# Allegro board FMDEMOD-Long.brd (continued)
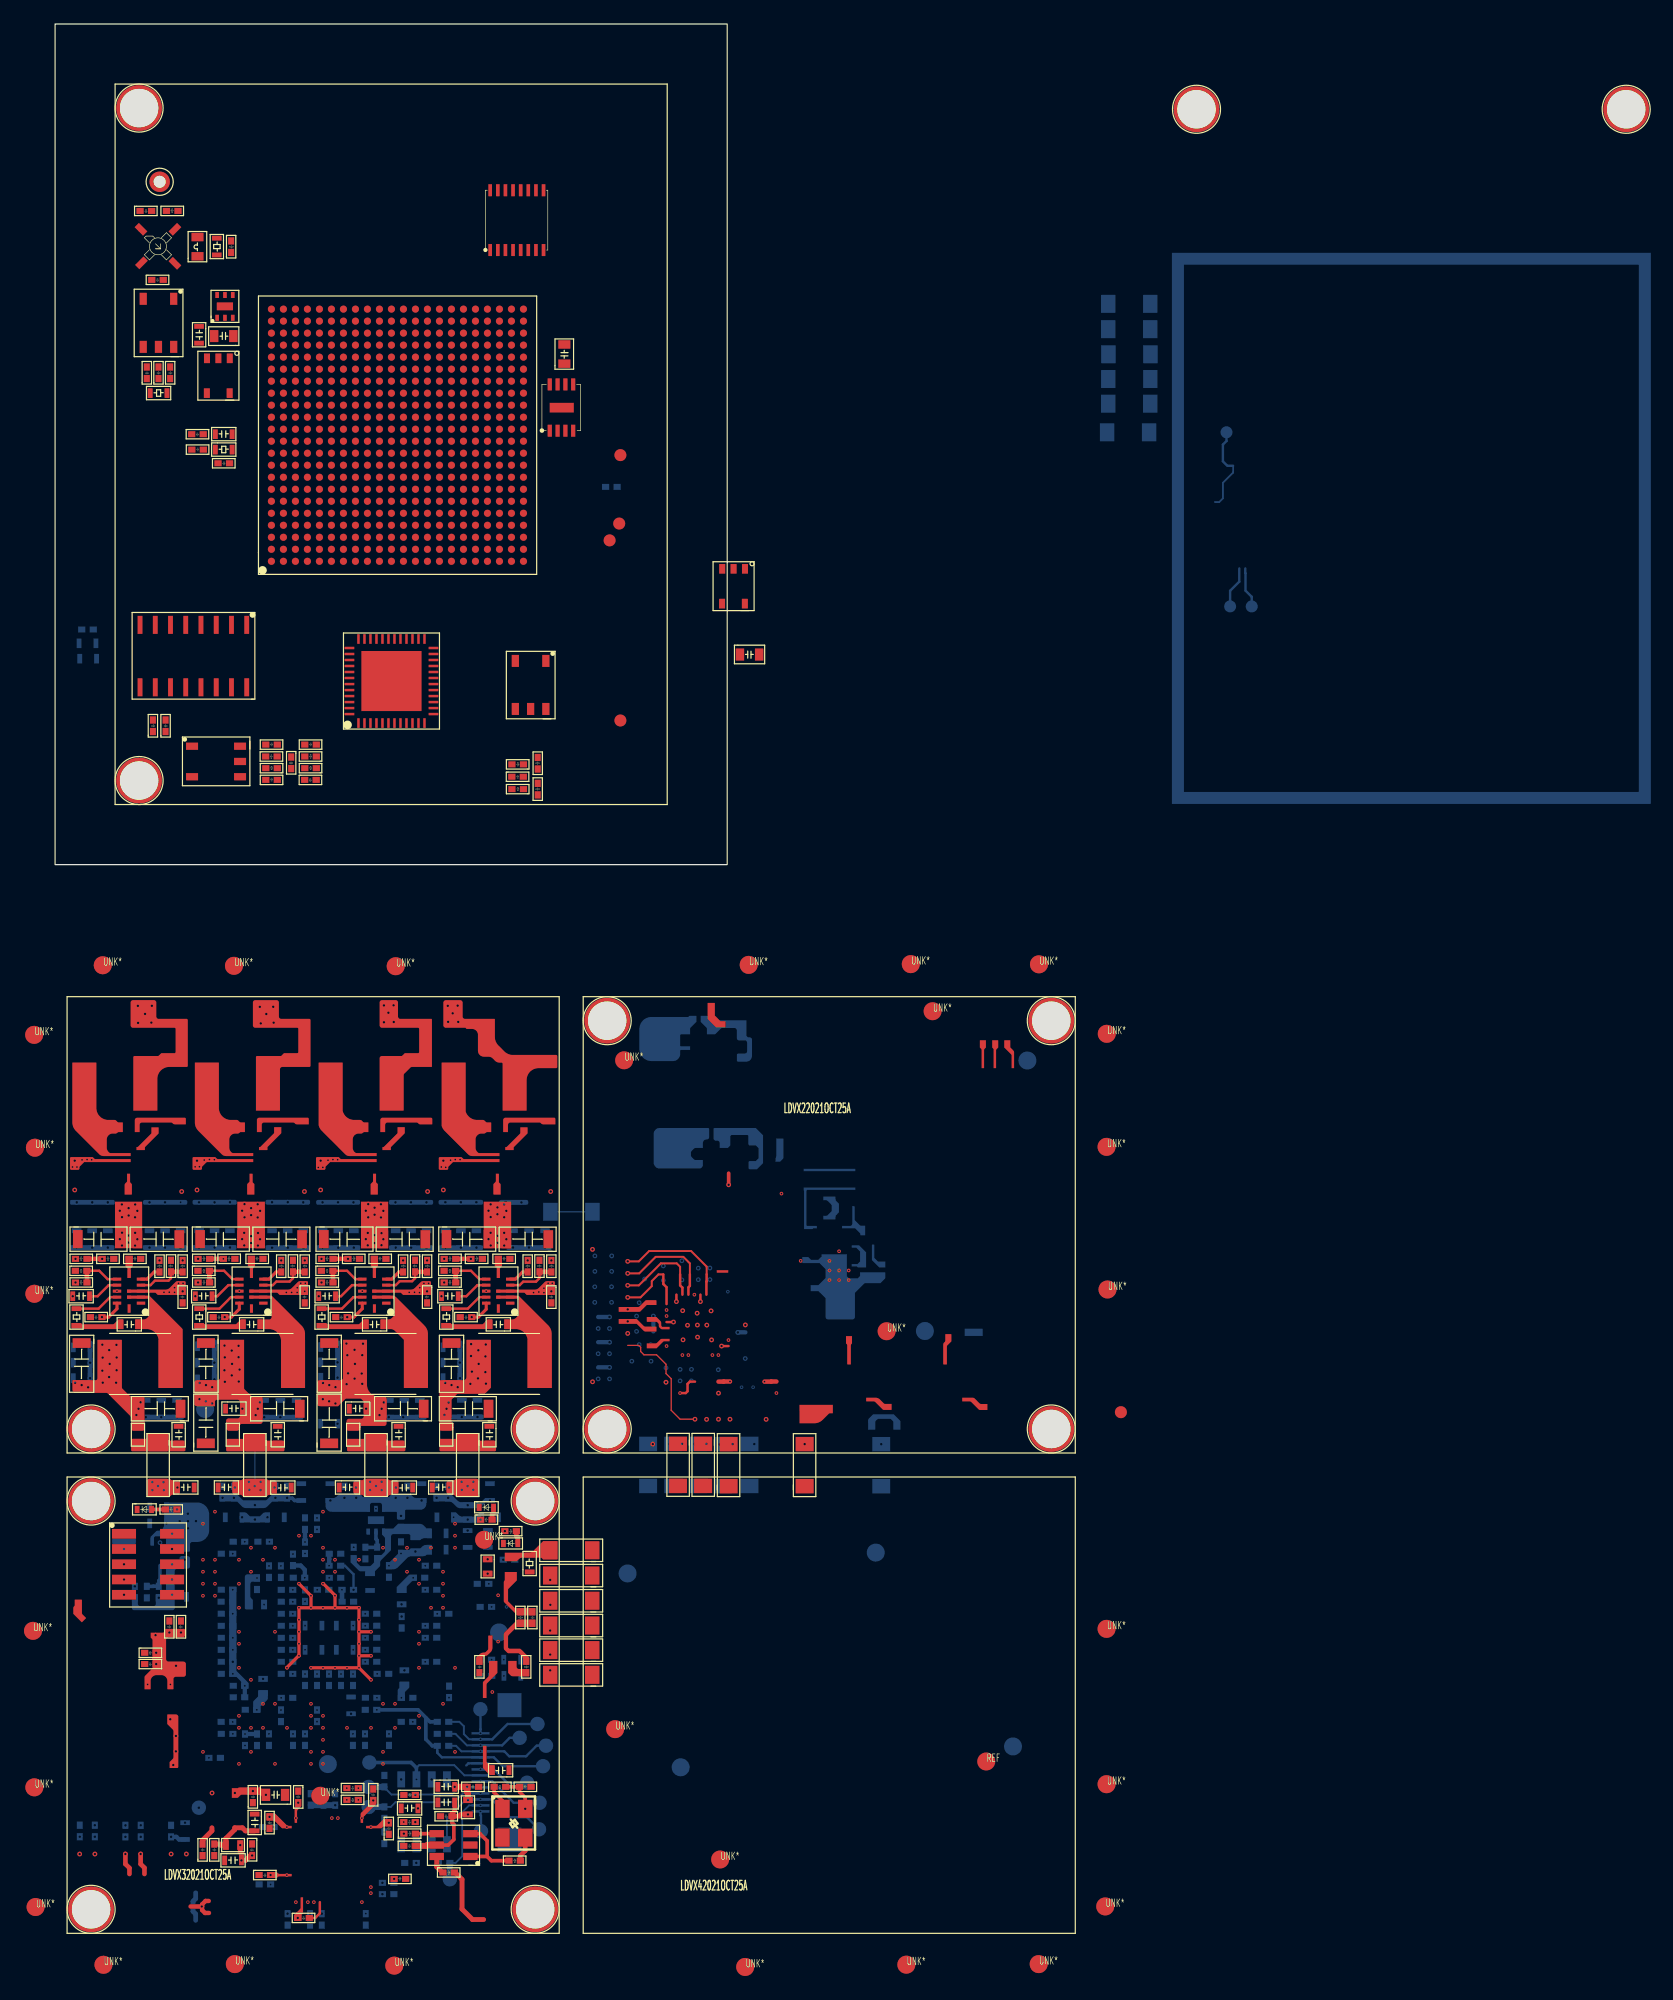
[diagram p0: board, top side]
## Copper pours and planes (outline as drawn; the poured copper is in the pictures) (continued)
5V_FPGA on PWR-L6 (solid shape): 36.46,-57.06 37.04,-57.64 37.64,-57.64 37.64,-58.14 36.48,-58.14 36.44,-58.1 35.64,-58.1 35.64,-57.45 35.66,-57.43 35.66,-56.65 36.46,-56.65
5V_FPGA on PWR-L6: 13.15,-78.6 17.93,-78.6 18.36,-78.16 18.36,-76.07 18.21,-75.92 12.27,-75.92 11.81,-75.47 11.81,-57.89 11.33,-57.42 9.2,-57.42 8.96,-57.18 6.14,-57.18 4.71,-55.75 1.37,-55.75 1.19,-55.93 1.19,-69.2 1.42,-69.43 10.24,-69.43 10.88,-70.08 10.88,-77.36 11.21,-77.69 12.24,-77.69
5V_FPGA_IN on BOTTOM (solid shape): 11.84,-53.12 12.55,-53.42 12.84,-54.12 12.84,-55.41 12.55,-56.12 11.84,-56.41 11.44,-56.41 11.3,-56.47 11.24,-56.61 11.24,-57.12 11.21,-57.19 11.14,-57.22 10.46,-57.22 10.39,-57.19 10.36,-57.12 10.36,-56.91 10.31,-56.77 10.16,-56.71 9.24,-56.71 9.24,-56.07 9.23,-56.03 9.2,-55.99 9.14,-55.95 9.06,-55.93 8.42,-55.93 8.34,-55.95 8.28,-55.99 8.25,-56.03 8.24,-56.07 8.24,-56.71 7.94,-56.71 7.94,-56.07 7.96,-56 8,-55.93 8.4,-55.53 8.46,-55.49 8.54,-55.47 8.58,-55.47 8.94,-55.33 9.08,-54.97 9.08,-53.12
5V_FPGA_IN on PWR-L6: 12.48,-51.22 12.48,-54.36 12.08,-54.36 11.84,-54.6 11.84,-56.69 11.68,-56.85 9.34,-56.85 9.18,-56.68 6.78,-56.68 5.4,-55.3 5.4,-51.25 5.5,-51.15 12.42,-51.15
5V_FPGA_PWR on TOP (solid shape): 5.55,-43.5 5.56,-43.57 5.61,-43.64 6.16,-44.2 6.23,-44.24 6.3,-44.25 7.25,-44.25 7.39,-44.31 7.45,-44.45 7.45,-47.03 7.42,-47.1 7.34,-47.13 6.45,-47.13 6.38,-47.1 6.35,-47.03 6.35,-46.08 6.34,-46.01 6.29,-45.94 4.4,-44.05 4.34,-44.01 4.26,-44 1.66,-44 1.52,-43.94 1.46,-43.8 1.46,-42.94 3.35,-42.94 3.49,-42.89 3.55,-42.75 3.55,-42.72 3.55,-39.58 5.55,-39.58
GND on BOTTOM (solid shape): 132.95,5.05 93.05,5.05 93.05,6.05 131.95,6.05 131.95,49.95 94.05,49.95 94.05,6.05 93.05,6.05 93.05,50.95 132.95,50.95
GND on GND-L2: 44.05,-51.14 44.05,-88.74 84.8,-88.74 84.8,-51.14
GND on GND-L2: 41.85,-51.15 41.85,-88.91 1.06,-88.91 1.06,-51.15
GND on GND-L2, GND-L5: 84.59,-48.68 84.59,-11.33 44.34,-11.33 44.34,-31.12 46.94,-31.12 48.63,-32.8 48.63,-33.26 49.63,-33.26 49.63,-32.79 50.35,-32.06 54.44,-32.06 54.87,-32.49 56.47,-32.49 56.88,-32.89 56.88,-37.73 57.95,-37.73 58.17,-37.95 58.17,-40.31 58.4,-40.54 58.4,-42.26 58.58,-42.43 59.46,-42.43 59.62,-42.59 59.62,-48.68
GND on GND-L2, GND-L5, GND-L9: 1.05,-11.54 1.2,-11.2 1.54,-11.05 41.46,-11.05 41.81,-11.2 41.95,-11.55 41.95,-48.45 41.8,-48.8 41.45,-48.95 1.55,-48.95 1.2,-48.81 1.05,-48.46
GND on GND-L5: 1.06,-51.05 41.85,-51.05 41.85,-88.91 1.06,-88.91
GND on GND-L5, GND-L9: 44.15,-88.74 84.8,-88.74 84.8,-51.14 44.15,-51.14
GND on GND-L9: 41.85,-51.15 41.85,-88.91 1.06,-88.91 1.06,-51.15
GND on GND-L9: 84.59,-48.68 84.59,-11.33 44.34,-11.33 44.34,-31.12 46.94,-31.12 48.63,-32.8 48.63,-33.26 49.63,-33.26 49.63,-32.79 49.63,-32.56 50.34,-31.85 54.36,-31.85 54.99,-32.49 56.47,-32.49 56.88,-32.89 56.88,-37.73 57.95,-37.73 58.17,-37.95 58.17,-40.31 58.4,-40.54 58.4,-42.26 58.58,-42.43 59.46,-42.43 59.62,-42.59 59.62,-48.68
GNDA on GND-L2: 46.9,-31.86 47.63,-32.59 47.63,-33.61 48.17,-34.15 49.41,-34.15 51.48,-32.08 53.86,-32.08 54.94,-33.16 54.94,-34.26 55.07,-34.39 56.14,-34.39 56.59,-34.84 56.59,-38 57.03,-38.45 57.03,-38.51 57.13,-38.6 57.86,-38.6 57.86,-41.42 58.34,-41.89 58.34,-43.36 59.47,-44.5 59.47,-48.68 44.36,-48.68 44.36,-31.86
GNDA on GND-L5: 46.9,-31.86 47.63,-32.59 47.63,-33.61 48.17,-34.15 50.18,-34.15 51.28,-33.06 51.28,-32.45 54.23,-32.45 54.94,-33.16 54.94,-34.26 55.07,-34.39 56.14,-34.39 56.59,-34.84 56.59,-38 57.03,-38.45 57.03,-38.51 57.13,-38.6 57.86,-38.6 57.86,-40.51 57.95,-40.51 58.24,-40.8 58.24,-42.4 58.52,-42.68 59.38,-42.68 59.47,-42.77 59.47,-48.68 44.36,-48.68 44.36,-31.86
GNDA on GND-L9: 46.9,-31.86 47.63,-32.59 47.63,-33.61 48.17,-34.15 49.52,-34.15 51.43,-32.25 54.03,-32.25 54.94,-33.16 54.94,-34.26 55.07,-34.39 56.14,-34.39 56.59,-34.84 56.59,-38 57.03,-38.45 57.03,-38.51 57.13,-38.6 57.86,-38.6 57.86,-40.51 57.95,-40.51 58.24,-40.8 58.24,-42.4 58.52,-42.68 59.38,-42.68 59.47,-42.77 59.47,-48.68 44.36,-48.68 44.36,-31.86
VBAT_IN on TOP (solid shape): 27.75,-31.95 25.49,-31.95 25.49,-28.08 27.75,-28.08
VBAT_IN on TOP (solid shape): 17.48,-31.94 15.18,-31.94 15.18,-28.08 17.48,-28.08
VBAT_IN on TOP (solid shape): 7.25,-31.94 4.99,-31.94 4.99,-28.08 7.25,-28.08
VBAT_IN on TOP (solid shape): 38,-31.95 35.71,-31.95 35.71,-28.08 38,-28.08
VCCA_2V5 on BOTTOM (solid shape): 31.38,-57.45 30.98,-57.45 30.82,-57.56 30.62,-57.6 29.68,-57.6 29.49,-57.64 29.32,-57.75 28.53,-58.54 28.37,-58.65 28.18,-58.69 27.57,-58.69 27.57,-58.09 27.89,-58.09 28,-57.97 28.57,-57.4 28.57,-57.07 29.42,-57.07 29.5,-57.05 29.56,-57.01 29.62,-56.95 30.42,-56.95 30.57,-56.8 30.73,-56.69 30.93,-56.66 31.38,-56.66
VCCA_2V5 on PWR-L6: 18.44,-68.5 17.94,-69 17.94,-70.83 17.63,-71.14 16.3,-71.14 15.99,-70.83 15.99,-70.13 16.86,-69.25 16.86,-67.5 16.31,-66.95 16.31,-60.69 17.73,-59.27 19.97,-59.27 20.57,-58.67 21.26,-58.67 21.55,-58.96 23.05,-58.96 23.82,-59.72 27.67,-59.72 29.73,-57.65 30.48,-57.65 30.63,-57.5 30.63,-56.83 29.82,-56.83 29.43,-57.22 29.27,-57.22 28.87,-56.82 28.57,-56.82 28.55,-56.84 24.7,-56.84 24.51,-57.04 24.51,-56.77 24.44,-56.7 23.45,-56.7 22.2,-57.95 19.66,-57.95 19.66,-57.95 19.34,-57.95 18.65,-57.27 16.34,-57.27 14.35,-59.26 14.35,-61.04 14.8,-61.5 15.57,-61.5 15.66,-61.59 15.66,-67.38 15.1,-67.95 15.1,-70.01 15.53,-70.44 15.53,-71.12 16.08,-71.67 17.64,-71.67 18.61,-70.71 23.13,-70.71 23.75,-71.33 26.66,-71.33 27.4,-70.59 27.4,-70.31 27.46,-70.31 27.72,-70.05 27.72,-68.8 27.43,-68.5 26.65,-68.5
VCCINT_1V2 on PWR-L6: 32.85,-53.86 35.79,-53.86 35.9,-53.97 35.9,-54.79 35.79,-54.9 35.27,-54.9 34.99,-55.18 34.99,-60.49 33.93,-61.54 30.57,-61.54 29.79,-62.33 29.79,-67.49 29.79,-67.5 29.79,-69.97 29.4,-70.36 28.15,-70.36 28.15,-69.13 27.86,-68.84 27.86,-68.66 27.51,-68.31 18.24,-68.31 18.24,-68.33 17.86,-68.72 16.99,-68.72 16.99,-60.71 18.37,-59.33 19.98,-59.33 20.5,-58.82 21.14,-58.82 21.45,-59.12 22.96,-59.12 23.18,-59.34 23.18,-59.69 23.62,-60.13 27.99,-60.13 28.77,-59.35 28.77,-58.72 28.94,-58.54 28.95,-58.54 29.13,-58.36 29.89,-58.36 30.5,-58.97 30.5,-59.32 29.83,-59.99 29.83,-60.38 30.29,-60.84 32.39,-60.84 33.77,-59.45 33.77,-54.73 33.65,-54.61 32.85,-54.61 32.82,-54.57 32.82,-53.89
VCCIO_3V3 on TOP (solid shape): 18.22,-79 18.3,-79.01 18.36,-79.06 19.36,-80.05 19.71,-80.05 19.71,-80.25 18.91,-80.25 18.31,-79.66 18.25,-79.61 18.17,-79.6 17.61,-79.6 17.61,-79
VCCIO_3V3 on TOP (solid shape): 20.51,-78.42 20.22,-78.71 20.18,-78.77 20.16,-78.85 20.16,-79.8 19.96,-79.8 19.96,-78.51 19.97,-78.47 19.99,-78.44 20.01,-78.42 20.01,-77.82 20.51,-77.82
VCCIO_3V3 on TOP (solid shape): 26.76,-78.16 26.74,-78.23 26.7,-78.3 25.72,-79.28 25.68,-79.34 25.66,-79.42 25.66,-79.8 25.46,-79.8 25.46,-79.09 25.48,-79.01 25.52,-78.94 26.2,-78.27 26.24,-78.2 26.26,-78.12 26.26,-77.64 26.76,-77.64
VCCIO_3V3 on TOP (solid shape): 28.05,-80.09 27.45,-80.09 27.37,-80.11 27.3,-80.15 27.26,-80.19 27.2,-80.24 27.12,-80.25 25.91,-80.25 25.91,-80.05 26.72,-80.05 26.8,-80.04 26.86,-79.99 27.3,-79.55 27.37,-79.51 27.45,-79.49 28.05,-79.49
VCCIO_3V3 on TOP (solid shape): 18.38,-83.89 18.46,-83.91 18.52,-83.95 18.56,-83.99 18.63,-84.04 18.7,-84.05 19.71,-84.05 19.71,-84.25 18.69,-84.25 18.61,-84.27 18.55,-84.31 18.52,-84.34 18.46,-84.38 18.38,-84.39 17.65,-84.39 17.65,-83.89
VCCIO_3V3 on BOTTOM (solid shape): 15.11,-67.14 16.1,-68.13 16.1,-68.63 15.5,-68.63 15.5,-68.12 15.49,-68.04 15.45,-67.98 15.16,-67.7 15.1,-67.65 15.02,-67.64 14.5,-67.64 14.5,-60.14 15.11,-60.14
VCCIO_3V3 on SIGNAL-L4: 23.84,-56.59 23.84,-62.26 31.58,-62.26 31.92,-61.93 31.92,-57.04 30.96,-56.08 24.35,-56.08
VCCIO_3V3 on PWR-L6: 30.73,-61.67 34.2,-61.67 34.35,-61.82 34.35,-74.7 34.67,-75.02 40.66,-75.02 40.67,-75.04 40.67,-84.78 40.34,-85.11 40.34,-88.21 39.66,-88.89 30.9,-88.89 30.7,-88.69 30.7,-84.43 29.66,-83.39 27.49,-83.39 27.17,-83.72 25.56,-83.72 25.39,-83.89 25.39,-85.45 17.81,-85.45 17.58,-85.23 17.58,-79.24 18.04,-78.78 18.76,-78.78 19.66,-77.88 19.66,-76.06 19.27,-75.68 12.5,-75.68 11.96,-75.13 11.96,-57.58 12.34,-57.2 12.34,-56.9 12.93,-56.32 12.93,-55.53 12.51,-55.12 12.04,-55.12 12.01,-55.08 12.01,-54.73 12.18,-54.56 12.72,-54.56 12.88,-54.39 12.88,-53.69 13.03,-53.53 13.49,-53.53 13.68,-53.72 17.75,-53.72 18.03,-53.45 21.89,-53.45 22.7,-54.25 33.3,-54.25 33.77,-54.72 33.77,-59.39 32.37,-60.78 30.39,-60.78 29.96,-60.35 29.96,-59.78 30.39,-59.35 30.55,-59.35 30.55,-58.92 29.75,-58.13 29.75,-57.81 30,-57.56 30.77,-57.56 30.96,-57.36 30.96,-56.72 30.81,-56.57 30.57,-56.57 30.14,-56.13 24.39,-56.13 24.39,-56.14 24.16,-56.37 23.69,-56.37 22.24,-57.82 19.5,-57.82 18.87,-57.2 16.33,-57.2 14.89,-58.64 14.76,-58.51 14.75,-58.51 14.11,-59.15 14.11,-59.16 14.56,-59.61 15.17,-59.61 15.71,-60.16 15.71,-60.53 14.75,-61.49 14.82,-61.56 15.55,-61.56 15.63,-61.63 15.63,-67.35 14.93,-68.04 14.93,-69.89 15.58,-70.54 15.58,-71.53 15.68,-71.63 17.89,-71.63 18.67,-70.85 23.02,-70.85 23.69,-71.52 26.75,-71.52 27.45,-70.82 27.92,-70.82 28.21,-70.54 29.71,-70.54 29.95,-70.31 29.95,-62.44
ADC_3V3 on PWR-L6: 17.37,-85.59 17.7,-85.92 22.96,-85.92 22.98,-85.91 25.6,-85.91 25.8,-85.7 25.8,-84.44 25.88,-84.37 26.94,-84.37 26.95,-84.38 27.7,-83.63 29.36,-83.63 30.2,-84.47 30.2,-88.46 9.73,-88.46 9.73,-85.03 10.64,-84.12 11.37,-84.12 11.88,-83.6 11.88,-79.84 12.46,-79.27 17,-79.27 17.37,-79.64
AUDIO_5V on PWR-L6: 34.75,-74.34 34.75,-61.66 35.12,-61.3 35.12,-58.79 35.46,-58.45 40.65,-58.45 40.65,-74.45 40.58,-74.53 34.94,-74.53
Net_1 on PWR-L6: 80.5,-62.63 84.83,-62.63 84.9,-62.57 84.9,-58.56 84.78,-58.44 70.11,-58.44 69.57,-58.99 69.57,-66.97 68.43,-68.11 68.01,-68.11 68.01,-69.62 68.03,-69.63 68.03,-70.72 68.01,-70.74 68.01,-71.85 67.58,-72.28 66.01,-72.28 65.78,-72.04 65,-72.04 64.46,-71.51 64.46,-69.91 64.18,-69.63 63.28,-69.63 63.2,-69.71 63.2,-71.01 62.95,-71.26 62.95,-71.78 62.79,-71.94 57.31,-71.94 57.28,-71.91 57.28,-69.63 57.2,-69.54 56.54,-69.54 56.42,-69.66 56.42,-73.01 56.69,-73.28 71.36,-73.28 71.69,-72.95 73.33,-72.95 73.4,-72.88 73.55,-72.73 73.55,-72.15 74.09,-71.61 78.25,-71.61 78.96,-70.89 78.96,-68.56 78.35,-67.94 72.14,-67.94 72.13,-67.95 71.44,-67.26 71.44,-62.86 71.96,-62.34 75.12,-62.34 75.44,-62.66 80.17,-62.66 80.2,-62.63 80.49,-62.63
Net_2 on PWR-L6: 44.05,-51.05 84.95,-51.05 84.95,-88.95 44.05,-88.95
Net_3 on BOTTOM (solid shape): 68.26,-32.75 68.56,-33.05 69.17,-33.05 69.17,-33.55 68.67,-33.55 68.06,-32.94 68.06,-31.65 68.26,-31.65
Net_4 on PWR-L6: 66.61,-23.3 65.54,-23.3 65.38,-23.46 65.38,-24.16 65.68,-24.46 67.09,-24.46 67.22,-24.33 67.22,-23.9
Net_5 on PWR-L6: 62.64,-34.37 62.65,-34.37 63.03,-34.75 63.69,-34.75 63.77,-34.66 63.77,-33.61 63.56,-33.39 63.56,-31.35 62.89,-30.67 61.99,-30.67 61.74,-30.92 61.74,-31.42 62.47,-32.15 62.47,-34.2
Net_6 on BOTTOM (solid shape): 66.61,-29.52 66.63,-29.59 66.67,-29.66 67.03,-30.02 67.1,-30.06 67.17,-30.08 67.49,-30.08 67.49,-30.88 67.09,-30.88 67.09,-30.8 67.08,-30.73 67.03,-30.66 66.72,-30.35 66.66,-30.31 66.58,-30.29 65.57,-30.29 65.57,-30.09 66.22,-30.09 66.36,-30.03 66.42,-29.89 66.42,-28.45 66.61,-28.45
Net_7 on PWR-L6: 66.14,-27.89 66.07,-27.89 65.88,-28.08 65.88,-29.55 65.85,-29.58 65.06,-29.58 64.93,-29.7 64.93,-30.67 65,-30.74 66.51,-30.74 66.68,-30.91 67.87,-30.91 67.97,-30.81 67.97,-28.21 67.63,-27.88 66.14,-27.88
Net_8 on BOTTOM (solid shape): 54.71,-12.91 54.77,-12.95 54.85,-12.97 57.6,-12.97 57.6,-14.19 57.66,-14.33 57.8,-14.39 57.87,-14.39 58.01,-14.45 58.07,-14.59 58.07,-15.92 57.92,-16.27 57.57,-16.42 56.91,-16.42 56.84,-16.39 56.81,-16.31 56.81,-15.84 56.84,-15.77 56.91,-15.74 57.46,-15.74 57.6,-15.68 57.66,-15.54 57.66,-14.84 57.6,-14.7 57.46,-14.64 57,-14.64 56.86,-14.58 56.8,-14.44 56.8,-13.81 56.74,-13.67 56.6,-13.61 55.6,-13.61 55.53,-13.62 55.46,-13.67 55.05,-14.08 54.99,-14.12 54.91,-14.14 54.31,-14.14 54.31,-13.7 54.29,-13.62 54.25,-13.56 53.79,-13.1 53.79,-12.6 54.39,-12.6
Net_10 on PWR-L6: 70.93,-11.58 70.93,-18.49 68.17,-21.24 68.14,-21.24 66.71,-22.68 64.91,-22.68 64.6,-22.98 63.87,-22.98 63.87,-24.4 63.74,-24.52 63.74,-24.57 64.02,-24.84 66.74,-24.84 66.86,-24.97 66.86,-25.79 66.64,-26 61.91,-26 61.86,-25.96 61.86,-24.56 58.52,-21.22 57.03,-21.22 56.64,-20.82 56.64,-17.66 55.19,-16.22 54.48,-16.22 54.17,-15.91 54.17,-13.89 53.78,-13.5 53.78,-11.58
Net_11 on TOP (solid shape): 68.37,-44.4 68.56,-44.44 68.72,-44.55 69.03,-44.86 69.1,-44.9 69.17,-44.92 69.69,-44.92 69.69,-45.42 69.08,-45.42 69,-45.4 68.94,-45.36 68.34,-44.76 68.27,-44.72 68.2,-44.7 67.58,-44.7 67.58,-44.4
Net_12 on TOP (solid shape): 64.8,-45.69 64.58,-45.69 64.51,-45.71 64.44,-45.75 63.96,-46.23 63.63,-46.45 63.25,-46.52 62.03,-46.52 62.03,-45.55 62.02,-45.53 62.02,-45.01 62.03,-45 62.04,-44.99 64.8,-44.99
Net_13 on BOTTOM (solid shape): 69.79,-45.77 69.87,-45.79 69.93,-45.83 70.38,-46.28 70.42,-46.34 70.44,-46.42 70.44,-47.06 69.83,-47.06 69.83,-46.45 69.82,-46.37 69.78,-46.31 69.68,-46.21 69.62,-46.17 69.54,-46.15 68.63,-46.15 68.56,-46.17 68.49,-46.21 68.4,-46.31 68.35,-46.37 68.34,-46.45 68.34,-47.06 67.74,-47.06 67.74,-46.56 67.74,-46.55 67.74,-46.27 67.75,-46.2 67.8,-46.13 68.09,-45.83 68.16,-45.79 68.23,-45.77
Net_14 on PWR-L6: 62.04,-48.45 70.66,-48.45 70.66,-47.2 69.46,-47.2 69.16,-46.89 68.83,-46.89 68.6,-46.67 68.61,-46.65 68.61,-45.85 69.03,-45.43 69.05,-45.45 69.77,-45.45 69.77,-44.93 69.68,-44.84 63.72,-44.84 62.51,-46.05 62.35,-46.05
Net_15 on TOP (solid shape): 76.47,-44.4 76.55,-44.42 76.61,-44.46 77.01,-44.86 77.08,-44.9 77.15,-44.92 77.67,-44.92 77.67,-45.42 77.08,-45.42 77,-45.4 76.94,-45.36 76.34,-44.76 76.27,-44.72 76.2,-44.7 75.58,-44.7 75.58,-44.4
Net_16 on PWR-L6: 71.59,-47.22 71.59,-48.45 80.89,-48.45 80.89,-46.9 76.62,-46.9 76.33,-46.61 76.33,-45.73 76.6,-45.45 76.61,-45.46 77.53,-45.46 77.77,-45.21 77.77,-44.64 77.24,-44.11 72.41,-44.11 72.41,-44.53 72.3,-44.64 72.3,-46.51
Net_17 on TOP (solid shape): 50.44,-38.01 50.48,-38.08 50.5,-38.15 50.5,-38.33 50.51,-38.41 50.56,-38.47 50.58,-38.49 51.2,-38.49 51.2,-38.69 50.58,-38.69 50.51,-38.68 50.44,-38.64 50.36,-38.55 50.31,-38.49 50.3,-38.41 50.3,-38.32 50.28,-38.24 50.24,-38.17 50.2,-38.13 50.13,-38.09 50.06,-38.07 49.3,-38.07 49.3,-37.67 50.1,-37.67
Net_18 on PWR-L6: 51,-39.6 51.31,-39.3 56.6,-39.3 56.64,-39.34 56.64,-41.79 55.96,-42.47 48.67,-42.47 47.58,-43.56 47.58,-44.31 47.36,-44.54 44.57,-44.54 44.57,-40 44.97,-39.6
Net_19 on TOP (solid shape): 51.2,-39.69 50.78,-39.69 50.7,-39.71 50.64,-39.75 50.12,-40.27 50.1,-40.28 49.3,-40.28 49.3,-39.88 50.02,-39.88 50.09,-39.86 50.16,-39.82 50.43,-39.55 50.49,-39.51 50.57,-39.49 51.2,-39.49
Net_20 on BOTTOM (solid shape): 60.68,-24.38 60.67,-24.46 60.62,-24.53 60.47,-24.68 60.4,-24.73 60.33,-24.74 60.02,-24.74 60.02,-24.44 60.02,-24.44 60.07,-24.37 60.08,-24.3 60.08,-22.81 60.68,-22.81
Net_21 on BOTTOM (solid shape): 65.02,-27.87 65.04,-27.94 65.08,-28.01 65.25,-28.17 65.29,-28.24 65.31,-28.31 65.31,-28.88 65.29,-28.96 65.25,-29.02 65.08,-29.19 65.04,-29.25 65.02,-29.33 65.02,-29.55 64,-29.55 64,-29.25 64.23,-29.25 64.3,-29.23 64.37,-29.19 64.65,-28.91 64.69,-28.84 64.71,-28.77 64.71,-28.43 64.69,-28.36 64.65,-28.29 64.36,-28.01 64.3,-27.96 64.22,-27.95 64,-27.95 64,-27.65 65.02,-27.65
Net_22 on BOTTOM (solid shape): 58.99,-22.54 58.99,-24.87 58.49,-25.37 57.88,-25.37 57.81,-25.34 57.78,-25.27 57.78,-24.79 57.81,-24.72 57.88,-24.69 58.39,-24.69 58.6,-24.47 58.6,-23.61 58.4,-23.4 57.86,-23.4 57.77,-23.31 57.77,-22.58 57.7,-22.52 56.35,-22.52 56.26,-22.62 56.26,-23.4 56.05,-23.6 55.37,-23.6 55.37,-23.19 55.31,-23.05 55.17,-22.99 55.06,-22.99 54.92,-22.93 54.86,-22.79 54.86,-22.03 54.89,-21.96 54.96,-21.93 58.38,-21.93
Net_23 on PWR-L6: 58.28,-21.72 58.52,-21.96 58.52,-23.58 59.15,-23.58 59.55,-23.97 59.55,-23.97 59.73,-24.16 59.73,-25.13 60.12,-25.52 60.12,-26.36 60.85,-27.09 60.87,-27.09 61.21,-27.43 61.21,-27.87 61.97,-28.62 62.09,-28.62 62.25,-28.78 63.17,-28.78 63.29,-28.66 63.29,-28.47 63.34,-28.42 63.34,-27.86 63.45,-27.74 65.55,-27.74 65.81,-28 65.81,-29.19 65.59,-29.42 61.28,-29.42 60.31,-28.45 58.05,-28.45 57.3,-27.69 57.3,-24.52 56.92,-24.14 54.66,-24.14 54.47,-23.94 54.47,-22.06 54.81,-21.72
Net_24 on TOP (solid shape): 66.4,-39.87 66.36,-39.91 66.32,-39.97 66.3,-40.05 66.3,-41.62 66,-41.62 66,-40.06 65.98,-39.98 65.94,-39.91 65.9,-39.87 65.9,-39.27 66.4,-39.27
Net_25 on TOP (solid shape): 74.67,-39.7 74.36,-40.02 74.32,-40.08 74.3,-40.16 74.3,-41.62 74,-41.62 74,-39.96 74.02,-39.88 74.06,-39.82 74.12,-39.76 74.16,-39.7 74.17,-39.62 74.17,-39.1 74.67,-39.1
Net_26 on PWR-L6: 59.74,-46.07 59.74,-48.45 61.9,-48.45 61.9,-45.93 62.98,-44.84 63.04,-44.84 63.19,-44.69 70.82,-44.69 71.08,-44.95 71.08,-45.47 70.84,-45.71 69.1,-45.71 68.84,-45.97 68.84,-46.33 69.06,-46.54 71.37,-46.54 71.93,-45.98 71.93,-45.7 71.91,-45.68 71.91,-44.12 72.15,-43.88 77.23,-43.88 77.92,-44.57 77.92,-45.28 77.51,-45.7 76.73,-45.7 76.65,-45.78 76.65,-46.58 76.74,-46.67 77.78,-46.67 78,-46.46 78,-46.03 78.53,-45.5 78.63,-45.5 78.69,-45.44 79.79,-45.44 79.79,-41.34 78.46,-40 75.55,-40 74.99,-39.44 74.99,-38.64 74.07,-37.72 71.02,-37.72 70.05,-38.69 63.57,-38.69 59.75,-42.5 59.75,-44.15 60.57,-44.97 60.57,-45.85 60.45,-45.96 59.84,-45.96
Net_27 on TOP (solid shape): 54.97,-12.58 55.44,-13.05 55.85,-13.05 55.85,-13.55 55.05,-13.55 54.37,-12.86 54.37,-11.52 54.37,-11.52 54.97,-11.52
Net_28 on BOTTOM (solid shape): 66.67,-27.08 62.67,-27.08 62.6,-27.15 62.6,-30.05 62.65,-30.09 63.47,-30.09 63.47,-30.29 63.17,-30.29 63.12,-30.35 62.4,-30.35 62.4,-27.17 62.37,-27.14 62.37,-26.89 66.67,-26.89
Net_29 on PWR-L6: 62.22,-26.49 66.8,-26.49 67.04,-26.73 67.04,-27.55 66.83,-27.76 65.84,-27.76 65.64,-27.56 63.37,-27.56 63.16,-27.77 63.16,-28.23 63.02,-28.37 62.4,-28.37 62.06,-28.03 62.06,-26.65
Net_30 on TOP (solid shape): 49.04,-38.42 49.11,-38.46 49.18,-38.48 50.1,-38.48 50.1,-38.88 49.18,-38.88 49.11,-38.86 49.04,-38.82 48.49,-38.27 48.46,-38.25 48.42,-38.24 46.96,-38.24 46.96,-37.84 48.46,-37.84
Net_31 on BOTTOM (solid shape): 67.57,-32.28 67.57,-33.55 66.88,-33.55 66.8,-33.47 66.37,-33.47 66.37,-33.27 66.85,-33.27 67.07,-33.05 67.07,-32.22 66.76,-31.91 66.37,-31.91 66.37,-31.71 67,-31.71
Net_32 on PWR-L6: 50.02,-35.16 50.02,-34.31 50.18,-34.16 54.92,-34.16 55.02,-34.25 55.02,-36.54 53.79,-37.76 51.66,-37.76 50.33,-39.09 44.57,-39.09 44.57,-36.07 49.11,-36.07
Net_33 on TOP (solid shape): 50.1,-36.67 49.34,-36.67 49.3,-36.68 49.27,-36.7 48.79,-37.18 48.73,-37.22 48.65,-37.24 46.96,-37.24 46.96,-36.84 48.57,-36.84 48.64,-36.82 48.71,-36.78 49.16,-36.33 49.22,-36.29 49.3,-36.27 50.1,-36.27
Net_34 on TOP (solid shape): 77.55,-15.23 77.46,-15.32 77.42,-15.39 77.4,-15.46 77.4,-16.95 77.2,-16.95 77.2,-15.46 77.18,-15.39 77.14,-15.32 77.05,-15.23 77.05,-14.63 77.55,-14.63
Net_35 on TOP (solid shape): 78.58,-15.23 78.46,-15.35 78.42,-15.42 78.4,-15.49 78.4,-16.95 78.2,-16.95 78.2,-15.43 78.18,-15.36 78.14,-15.29 78.08,-15.23 78.08,-14.63 78.58,-14.63
Net_36 on TOP (solid shape): 79.58,-15.23 79.84,-15.49 79.88,-15.55 79.9,-15.63 79.9,-16.95 79.7,-16.95 79.7,-15.93 79.68,-15.85 79.64,-15.79 79.08,-15.23 79.08,-14.63 79.58,-14.63
Net_37 on BOTTOM (solid shape): 65.97,-34.28 66.14,-34.45 66.87,-34.45 67.07,-34.25 67.07,-33.95 69.17,-33.95 69.17,-34.45 68.77,-34.86 67.45,-34.86 66.64,-35.67 66.64,-37.67 66.58,-37.82 66.44,-37.88 64.4,-37.88 64.25,-37.82 64.2,-37.67 64.2,-36.12 63.6,-35.52 62.95,-35.52 62.95,-35.02 63.6,-35.02 64.2,-34.42 64.2,-33.69 63.68,-33.18 62.26,-33.18 62.26,-32.68 62.76,-32.68 62.99,-32.92 63.58,-32.92 63.86,-32.64 63.86,-32.45 65.97,-32.45
Net_40 on PWR-L6: 59.34,-45.86 59.44,-45.76 60.43,-45.76 60.5,-45.7 60.5,-45.18 60.33,-45.01 59.62,-45.01 59.34,-44.74 59.34,-42.36 63.45,-38.25 68.41,-38.25 68.45,-38.29 70.2,-38.29 71.17,-37.33 74.28,-37.33 75.46,-38.51 75.46,-39.49 75.64,-39.67 78.81,-39.67 80.28,-41.15 80.28,-44.58 80.35,-44.65 84.42,-44.65 84.42,-15.61 84.05,-15.24 81.88,-15.24 80.79,-14.15 80.79,-12 80.36,-11.58 72.11,-11.58 71.63,-12.06 71.63,-19.03 67.84,-22.82 64.94,-22.82 64.22,-23.53 64.22,-24.49 64.43,-24.69 66.89,-24.69 67.04,-24.84 67.04,-26.52 68.68,-28.16 68.68,-31.63 68.01,-32.3 63.86,-32.3 63.71,-32.45 63.71,-33.21 63.95,-33.45 63.95,-34.74 63.87,-34.82 62.19,-34.82 60.76,-33.4 60.76,-32.5 58.94,-30.68 57.44,-30.68 57.07,-30.32 57.07,-25.17 56.53,-24.64 55,-24.64 54.55,-25.09 54.55,-29.98 53.5,-31.03 53.5,-32.49 55.08,-34.08 55.08,-38.04 55.99,-38.95 56.86,-38.95 56.86,-41.19 56.84,-41.21 56.84,-42.76 56.94,-42.86 52.12,-42.86 51.87,-42.61 49.24,-42.61 47.83,-44.03 47.83,-45.36 48.31,-45.84 48.31,-48.3 48.46,-48.45 59.34,-48.45
Net_41 on PWR-L6: 44.05,-11.05 52.38,-11.05 53.53,-12.2 53.53,-13.75 53.9,-14.13 53.9,-15.9 54.33,-16.32 55.11,-16.32 55.98,-17.18 55.98,-20.08 53.37,-22.69 53.37,-29.51 52.36,-30.51 52.36,-32.8 52.36,-32.8 52.36,-33.86 52.21,-34.02 50.12,-34.02 49.84,-34.3 49.84,-35.03 48.98,-35.88 45.25,-35.88 44.05,-34.68
Net_42 on TOP (solid shape): 3.44,-20.26 3.73,-20.97 4.44,-21.26 4.95,-21.26 5.03,-21.28 5.09,-21.32 5.18,-21.42 5.25,-21.46 5.32,-21.47 5.64,-21.47 5.64,-22.27 5.32,-22.27 5.25,-22.29 5.18,-22.33 5.18,-22.34 5.11,-22.38 5.04,-22.4 4.8,-22.4 4.45,-22.54 4.3,-22.9 4.3,-23.57 4.34,-23.77 4.45,-23.93 4.49,-23.96 4.55,-24.01 4.63,-24.02 6.3,-24.02 6.3,-24.27 4.44,-24.27 4.44,-24.27 4.03,-24.27 3.84,-24.23 3.68,-24.12 1.73,-22.17 1.51,-21.85 1.44,-21.47 1.44,-16.49 3.44,-16.49
Net_43 on TOP (solid shape): 10.79,-21.08 10.86,-21.11 10.89,-21.18 10.89,-21.63 9.97,-21.63 9.89,-21.61 9.82,-21.57 9.79,-21.53 9.72,-21.49 9.65,-21.47 7.24,-21.47 7.1,-21.53 7.04,-21.67 7.04,-22.27 6.64,-22.27 6.64,-21.28 6.7,-21.14 6.84,-21.08
Net_46 on TOP (solid shape): 29.14,-22.37 27.98,-23.53 27.98,-23.77 27.27,-23.77 27.27,-23.52 27.34,-23.52 27.38,-23.51 27.41,-23.49 28.51,-22.4 28.53,-22.36 28.54,-22.32 28.54,-21.87 29.14,-21.87
Net_47 on TOP (solid shape): 26.74,-26.42 26.75,-26.45 26.77,-26.49 26.86,-26.58 26.88,-26.61 26.89,-26.65 26.89,-27.47 26.29,-27.47 26.29,-26.65 26.3,-26.61 26.32,-26.58 26.46,-26.43 26.48,-26.4 26.49,-26.36 26.49,-25.75 26.74,-25.75
Net_48 on TOP (solid shape): 23.96,-20.5 24.31,-21.05 24.93,-21.26 25.41,-21.26 25.48,-21.28 25.55,-21.32 25.64,-21.42 25.71,-21.46 25.78,-21.47 26.1,-21.47 26.1,-22.27 25.78,-22.27 25.71,-22.29 25.64,-22.33 25.64,-22.34 25.57,-22.38 25.5,-22.4 25.3,-22.4 24.94,-22.54 24.8,-22.9 24.8,-23.57 24.84,-23.77 24.94,-23.93 24.98,-23.96 25.04,-24.01 25.12,-24.02 26.79,-24.02 26.79,-24.27 24.93,-24.27 24.93,-24.27 24.53,-24.27 24.33,-24.23 24.17,-24.12 22.22,-22.17 22.06,-21.96 21.96,-21.71 21.96,-16.49 23.96,-16.49
Net_49 on TOP (solid shape): 31.32,-21.08 31.39,-21.11 31.42,-21.18 31.42,-21.63 30.42,-21.63 30.35,-21.61 30.28,-21.57 30.24,-21.53 30.18,-21.49 30.1,-21.47 27.7,-21.47 27.56,-21.53 27.5,-21.67 27.5,-22.27 27.1,-22.27 27.1,-21.28 27.16,-21.14 27.3,-21.08
Net_52 on TOP (solid shape): 34.21,-20.55 34.57,-21.07 35.16,-21.26 35.64,-21.26 35.72,-21.28 35.78,-21.32 35.87,-21.42 35.94,-21.46 36.02,-21.47 36.33,-21.47 36.33,-22.27 36.02,-22.27 35.94,-22.29 35.87,-22.33 35.87,-22.34 35.8,-22.38 35.73,-22.4 35.53,-22.4 35.18,-22.54 35.03,-22.9 35.03,-23.57 35.07,-23.77 35.18,-23.93 35.21,-23.96 35.28,-24.01 35.35,-24.02 37.02,-24.02 37.02,-24.27 35.17,-24.27 35.17,-24.27 34.76,-24.27 34.57,-24.23 34.41,-24.12 32.46,-22.17 32.31,-21.98 32.21,-21.76 32.21,-16.49 34.21,-16.49
Net_53 on TOP (solid shape): 39.37,-22.38 38.21,-23.54 38.21,-23.77 37.51,-23.77 37.51,-23.52 37.58,-23.52 37.62,-23.51 37.65,-23.49 38.74,-22.41 38.76,-22.38 38.77,-22.34 38.77,-21.88 39.37,-21.88
Net_54 on TOP (solid shape): 36.97,-26.42 36.98,-26.46 37,-26.49 37.09,-26.58 37.11,-26.61 37.12,-26.65 37.12,-27.47 36.52,-27.47 36.52,-26.65 36.53,-26.61 36.55,-26.58 36.69,-26.43 36.72,-26.4 36.72,-26.36 36.72,-25.75 36.97,-25.75
Net_55 on TOP (solid shape): 41.58,-21.08 41.65,-21.11 41.68,-21.18 41.68,-21.63 40.66,-21.63 40.58,-21.61 40.52,-21.57 40.48,-21.53 40.41,-21.49 40.34,-21.47 37.93,-21.47 37.79,-21.53 37.73,-21.67 37.73,-22.27 37.33,-22.27 37.33,-21.28 37.39,-21.14 37.53,-21.08
Net_57 on TOP (solid shape): 33.75,-11.29 33.89,-11.35 33.95,-11.49 33.95,-12.65 34.01,-12.79 34.15,-12.85 36.62,-12.85 36.64,-12.85 36.64,-12.87 36.64,-14.36 36.72,-14.74 36.94,-15.06 37.43,-15.56 37.76,-15.77 38.14,-15.85 41.74,-15.85 41.81,-15.88 41.84,-15.95 41.84,-16.85 41.81,-16.92 41.74,-16.95 40.29,-16.95 39.58,-17.24 39.29,-17.95 39.29,-20.49 37.29,-20.49 37.29,-16.59 37.26,-16.52 37.19,-16.49 37.02,-16.49 36.83,-16.45 36.66,-16.34 36.47,-16.14 36.3,-16.04 36.11,-16 35.73,-16 35.38,-15.85 35.23,-15.5 35.23,-14.19 35.09,-13.83 34.73,-13.69 34.32,-13.69 34.25,-13.66 34.22,-13.58 32.55,-13.58 32.41,-13.53 32.35,-13.38 32.35,-11.49 32.41,-11.35 32.55,-11.29
Net_58 on TOP (solid shape): 18.85,-22.37 17.69,-23.52 17.69,-23.77 16.99,-23.77 16.99,-23.52 17.05,-23.52 17.09,-23.51 17.12,-23.49 18.22,-22.4 18.24,-22.36 18.25,-22.32 18.25,-21.87 18.85,-21.87
Net_59 on TOP (solid shape): 13.65,-20.26 13.94,-20.97 14.65,-21.26 15.12,-21.26 15.2,-21.28 15.26,-21.32 15.36,-21.42 15.42,-21.46 15.5,-21.47 15.81,-21.47 15.81,-22.27 15.5,-22.27 15.42,-22.29 15.36,-22.33 15.35,-22.34 15.29,-22.38 15.21,-22.4 15.01,-22.4 14.66,-22.54 14.51,-22.9 14.51,-23.57 14.55,-23.77 14.66,-23.93 14.69,-23.96 14.76,-24.01 14.83,-24.02 16.5,-24.02 16.5,-24.27 14.65,-24.27 14.65,-24.27 14.24,-24.27 14.05,-24.23 13.89,-24.12 11.94,-22.17 11.72,-21.85 11.65,-21.47 11.65,-16.49 13.65,-16.49
Net_60 on TOP (solid shape): 16.45,-26.41 16.46,-26.45 16.48,-26.49 16.58,-26.58 16.6,-26.61 16.61,-26.65 16.61,-27.47 16,-27.47 16,-26.65 16.01,-26.61 16.03,-26.58 16.18,-26.44 16.2,-26.4 16.2,-26.36 16.2,-25.75 16.45,-25.75
Net_61 on TOP (solid shape): 21.03,-21.08 21.1,-21.11 21.13,-21.18 21.13,-21.63 20.14,-21.63 20.06,-21.61 20,-21.57 19.96,-21.53 19.89,-21.49 19.82,-21.47 17.41,-21.47 17.27,-21.53 17.21,-21.67 17.21,-22.27 16.82,-22.27 16.82,-21.28 16.87,-21.14 17.02,-21.08
Net_62 on TOP (solid shape): 18.45,-11.29 18.59,-11.35 18.65,-11.49 18.65,-12.65 18.7,-12.79 18.85,-12.85 21.18,-12.85 21.25,-12.88 21.28,-12.95 21.28,-16.75 21.25,-16.82 21.18,-16.85 18.93,-16.85 18.79,-16.91 18.73,-17.05 18.73,-20.49 16.73,-20.49 16.73,-16.04 16.76,-15.97 16.84,-15.94 18.79,-15.94 18.83,-15.93 18.87,-15.91 19.04,-15.73 19.07,-15.71 19.11,-15.7 20.17,-15.7 20.24,-15.67 20.27,-15.6 20.27,-13.68 20.24,-13.61 20.17,-13.58 16.68,-13.58 16.54,-13.53 16.48,-13.38 16.48,-11.49 16.54,-11.35 16.68,-11.29
